# Allegro board S071AA-0413-20260427_Power3.brd (continued)
## Routing (per net, layer and track width the routed paths; a pad name or vN(x,y) marks a point on that pad's centre or on a via; arc(x,y) is an arc through that point) (continued)
102.68,363.22 ; CSDPS426.B12 101.87,362.41 ; 18.03,359.39 UHC430.G1_9 ; UHC430.G1_9 18.03,361.01 ; UHC430.G1_9 17.22,360.2 ; UHC430.G1_9 18.84,360.2 ; D432.A6 43.45,404.67 ; D432.A6 42.64,403.86 ; D432.A6 44.26,403.86 ; D432.A6 43.45,403.05 ; 112.03,80.47 D122.B10 ; D122.B10 112.03,82.09 ; D122.B10 111.22,81.28 ; D122.B10 112.84,81.28 ; 124.73,72.85 D122.A15 ; D122.A15 125.54,73.66 ; D122.A15 124.73,74.47 ; D122.A15 123.92,73.66 ; 189.96,373.38 D115.A6 ; D115.A6 191.58,373.38 ; D115.A6 190.77,374.19 ; D115.A6 190.77,372.57 ; D103.A8 180.61,56.69 ; D103.A8 180.61,55.07 ; D103.A8 179.8,55.88 ; D103.A8 181.42,55.88 ; DPS2.A11 178.07,416.1 ; DPS2.A11 177.26,415.29 ; DPS2.A11 178.07,414.48 ; DPS2.A11 178.88,415.29 ; D108.A4 244.92,35.56 ; D108.A4 244.11,36.37 ; D108.A4 244.11,34.75 ; D108.A4 243.3,35.56 ; 117.11,39.83 D124.B12 ; D124.B12 116.3,40.64 ; D124.B12 117.11,41.45 ; D124.B12 117.92,40.64 ; CSDPS229.C15 21.4,330.2 ; CSDPS229.C15 20.59,331.01 ; CSDPS229.C15 20.59,329.39 ; CSDPS229.C15 19.78,330.2 ; DPS3.C15 124.73,19.86 ; DPS3.C15 123.92,19.05 ; DPS3.C15 124.73,18.24 ; DPS3.C15 125.54,19.05 ; D115.B16 166.18,368.3 ; D115.B16 165.37,369.11 ; D115.B16 165.37,367.49 ; D115.B16 164.56,368.3 ; 264.43,347.17 D110.B6 ; D110.B6 264.43,348.79 ; D110.B6 265.24,347.98 ; D110.B6 263.62,347.98 ; D119.B16 54.42,60.96 ; D119.B16 53.61,60.15 ; D119.B16 52.8,60.96 ; D119.B16 53.61,61.77 ; D114.A6 191.58,353.06 ; D114.A6 189.96,353.06 ; D114.A6 190.77,353.87 ; D114.A6 190.77,352.25 ; 51.07,385.27 D431.A3 ; D431.A3 51.07,386.89 ; D431.A3 51.88,386.08 ; D431.A3 50.26,386.08 ; 98.52,406.4 D428.A13 ; D428.A13 100.14,406.4 ; D428.A13 99.33,405.59 ; D428.A13 99.33,407.21 ; 106.14,60.96 D123.B8 ; D123.B8 106.95,60.15 ; D123.B8 106.95,61.77 ; D123.B8 107.76,60.96 ; D120.B1 16.32,38.1 ; D120.B1 15.51,37.29 ; D120.B1 14.7,38.1 ; D120.B1 15.51,38.91 ; D110.A14 244.11,353.87 ; D110.A14 243.3,353.06 ; D110.A14 244.11,352.25 ; D110.A14 244.92,353.06 ; UHC230.G4_5 15.73,354.35 ; UHC230.G4_5 16.54,353.54 ; UHC230.G4_5 15.73,352.73 ; UHC230.G4_5 14.92,353.54 ; 243.3,60.96 D107.B4 ; D107.B4 244.11,60.15 ; D107.B4 244.92,60.96 ; D107.B4 244.11,61.77 ; 185.69,60.15 D103.B10 ; D103.B10 184.88,60.96 ; D103.B10 185.69,61.77 ; D103.B10 186.5,60.96 ; D427.B13 100.14,381 ; D427.B13 98.52,381 ; D427.B13 99.33,380.19 ; D427.B13 99.33,381.81 ; 187.42,73.66 D102.A11 ; D102.A11 189.04,73.66 ; D102.A11 188.23,72.85 ; D102.A11 188.23,74.47 ; 17.24,373.38 D231.A16 ; D231.A16 18.05,374.19 ; D231.A16 18.86,373.38 ; D231.A16 18.05,372.57 ; 179.8,81.28 D102.B8 ; D102.B8 180.61,80.47 ; D102.B8 181.42,81.28 ; D102.B8 180.61,82.09 ; D428.B4 123,398.78 ; D428.B4 121.38,398.78 ; D428.B4 122.19,397.97 ; D428.B4 122.19,399.59 ; D102.A1 162.83,74.47 ; D102.A1 163.64,73.66 ; D102.A1 162.02,73.66 ; D102.A1 162.83,72.85 ; D105.B9 256.81,99.87 ; D105.B9 256.81,98.25 ; D105.B9 257.62,99.06 ; D105.B9 256,99.06 ; 200.93,387.81 D116.B2 ; D116.B2 200.93,389.43 ; D116.B2 200.12,388.62 ; D116.B2 201.74,388.62 ; 250.92,375.92 D111.A11 ; D111.A11 251.73,376.73 ; D111.A11 252.54,375.92 ; D111.A11 251.73,375.11 ; D110.A6 265.24,353.06 ; D110.A6 264.43,352.25 ; D110.A6 263.62,353.06 ; D110.A6 264.43,353.87 ; 93.44,391.16 D228.B15 ; D228.B15 94.25,391.97 ; D228.B15 94.25,390.35 ; D228.B15 95.06,391.16 ; 45.99,32.21 D120.A13 ; D120.A13 45.18,33.02 ; D120.A13 46.8,33.02 ; D120.A13 45.99,33.83 ; 271.24,33.02 D108.A15 ; D108.A15 272.86,33.02 ; D108.A15 272.05,32.21 ; D108.A15 272.05,33.83 ; D109.A9 257.62,335.28 ; D109.A9 256,335.28 ; D109.A9 256.81,336.09 ; D109.A9 256.81,334.47 ; D428.A9 110.3,406.4 ; D428.A9 109.49,407.21 ; D428.A9 108.68,406.4 ; D428.A9 109.49,405.59 ; 250.92,73.66 D106.A7 ; D106.A7 251.73,74.47 ; D106.A7 251.73,72.85 ; D106.A7 252.54,73.66 ; D106.B13 267.78,78.74 ; D106.B13 266.97,79.55 ; D106.B13 266.97,77.93 ; D106.B13 266.16,78.74 ; D109.A13 246.65,336.09 ; D109.A13 245.84,335.28 ; D109.A13 246.65,334.47 ; D109.A13 247.46,335.28 ; 172.18,58.42 D103.B5 ; D103.B5 172.99,57.61 ; D103.B5 172.99,59.23 ; D103.B5 173.8,58.42 ; 35.83,370.03 D231.B9 ; D231.B9 36.64,370.84 ; D231.B9 35.83,371.65 ; D231.B9 35.02,370.84 ; 122.19,352.25 CSDPS226.B4 ; CSDPS226.B4 121.38,353.06 ; CSDPS226.B4 122.19,353.87 ; CSDPS226.B4 123,353.06 ; 195.04,347.98 D114.B4 ; D114.B4 195.85,348.79 ; D114.B4 195.85,347.17 ; D114.B4 196.66,347.98 ; D120.A3 21.4,33.02 ; D120.A3 20.59,32.21 ; D120.A3 19.78,33.02 ; D120.A3 20.59,33.83 ; 89.17,18.24 DPS3.C01 ; DPS3.C01 89.17,19.86 ; DPS3.C01 88.36,19.05 ; DPS3.C01 89.98,19.05 ; 43.45,39.83 D120.B12 ; D120.B12 42.64,40.64 ; D120.B12 43.45,41.45 ; D120.B12 44.26,40.64 ; 243.3,55.88 D107.A4 ; D107.A4 244.11,55.07 ; D107.A4 244.11,56.69 ; D107.A4 244.92,55.88 ; 37.56,403.86 D432.A8 ; D432.A8 38.37,403.05 ; D432.A8 39.18,403.86 ; D432.A8 38.37,404.67 ; 111.22,332.74 CSDPS225.B8 ; CSDPS225.B8 112.03,331.93 ; CSDPS225.B8 112.84,332.74 ; CSDPS225.B8 112.03,333.55 ; D121.A12 117.11,97.33 ; D121.A12 116.3,96.52 ; D121.A12 117.92,96.52 ; D121.A12 117.11,95.71 ; 123.92,38.1 D124.B15 ; D124.B15 124.73,37.29 ; D124.B15 125.54,38.1 ; D124.B15 124.73,38.91 ; 113.76,38.1 D124.B11 ; D124.B11 114.57,37.29 ; D124.B11 115.38,38.1 ; D124.B11 114.57,38.91 ; D227.B12 101.87,369.11 ; D227.B12 101.87,367.49 ; D227.B12 101.06,368.3 ; D227.B12 102.68,368.3 ; 238.22,368.3 D111.B16 ; D111.B16 239.84,368.3 ; D111.B16 239.03,369.11 ; D111.B16 239.03,367.49 ; D104.B8 181.42,40.64 ; D104.B8 180.61,41.45 ; D104.B8 180.61,39.83 ; D104.B8 179.8,40.64 ; 99.33,13.16 DPS3.A05 ; DPS3.A05 99.33,14.78 ; DPS3.A05 98.52,13.97 ; DPS3.A05 100.14,13.97 ; D119.A4 23.94,55.88 ; D119.A4 22.32,55.88 ; D119.A4 23.13,56.69 ; D119.A4 23.13,55.07 ; 108.68,360.68 CSDPS426.C9 ; CSDPS426.C9 110.3,360.68 ; CSDPS426.C9 109.49,361.49 ; CSDPS426.C9 109.49,359.87 ; D427.B14 97.6,378.46 ; D427.B14 96.79,379.27 ; D427.B14 96.79,377.65 ; D427.B14 95.98,378.46 ; 35.83,390.35 D232.B9 ; D232.B9 35.02,391.16 ; D232.B9 36.64,391.16 ; D232.B9 35.83,391.97 ; D428.B2 127.27,399.59 ; D428.B2 126.46,398.78 ; D428.B2 127.27,397.97 ; D428.B2 128.08,398.78 ; D103.A10 186.5,55.88 ; D103.A10 185.69,56.69 ; D103.A10 185.69,55.07 ; D103.A10 184.88,55.88 ; 90.9,76.2 D122.A2 ; D122.A2 92.52,76.2 ; D122.A2 91.71,75.39 ; D122.A2 91.71,77.01 ; 23.13,39.83 D120.B4 ; D120.B4 23.94,40.64 ; D120.B4 23.13,41.45 ; D120.B4 22.32,40.64 ; 271.24,13.97 DPS1.A15 ; DPS1.A15 272.05,13.16 ; DPS1.A15 272.86,13.97 ; DPS1.A15 272.05,14.78 ; D121.B5 99.33,99.87 ; D121.B5 100.14,99.06 ; D121.B5 99.33,98.25 ; D121.B5 98.52,99.06 ; D113.A16 165.37,333.55 ; D113.A16 164.56,332.74 ; D113.A16 166.18,332.74 ; D113.A16 165.37,331.93 ; 244.11,326.85 D109.B14 ; D109.B14 244.11,328.47 ; D109.B14 244.92,327.66 ; D109.B14 243.3,327.66 ; D432.B12 29.02,398.78 ; D432.B12 28.21,399.59 ; D432.B12 28.21,397.97 ; D432.B12 27.4,398.78 ; 256,355.6 D110.A9 ; D110.A9 257.62,355.6 ; D110.A9 256.81,356.41 ; D110.A9 256.81,354.79 ; 263.62,96.52 D105.A12 ; D105.A12 264.43,95.71 ; D105.A12 265.24,96.52 ; D105.A12 264.43,97.33 ; D108.B14 270.32,40.64 ; D108.B14 269.51,41.45 ; D108.B14 269.51,39.83 ; D108.B14 268.7,40.64 ; D119.A9 35.83,54.15 ; D119.A9 35.83,52.53 ; D119.A9 36.64,53.34 ; D119.A9 35.02,53.34 ; D431.B8 38.37,379.27 ; D431.B8 38.37,377.65 ; D431.B8 37.56,378.46 ; D431.B8 39.18,378.46 ; 35.83,375.11 D231.A9 ; D231.A9 35.02,375.92 ; D231.A9 36.64,375.92 ; D231.A9 35.83,376.73 ; D112.B2 275.4,388.62 ; D112.B2 274.59,387.81 ; D112.B2 274.59,389.43 ; D112.B2 273.78,388.62 ; 170.45,75.39 D102.A4 ; D102.A4 170.45,77.01 ; D102.A4 171.26,76.2 ; D102.A4 169.64,76.2 ; D228.B6 117.11,389.43 ; D228.B6 117.92,388.62 ; D228.B6 116.3,388.62 ; D228.B6 117.11,387.81 ; 42.64,388.62 D232.B6 ; D232.B6 43.45,387.81 ; D232.B6 44.26,388.62 ; D232.B6 43.45,389.43 ; 241.57,390.35 D112.B15 ; D112.B15 242.38,391.16 ; D112.B15 241.57,391.97 ; D112.B15 240.76,391.16 ; 118.84,99.06 D121.B13 ; D121.B13 119.65,98.25 ; D121.B13 120.46,99.06 ; D121.B13 119.65,99.87 ; 261.08,58.42 D107.B11 ; D107.B11 261.89,59.23 ; D107.B11 261.89,57.61 ; D107.B11 262.7,58.42 ; 101.87,392.89 D228.A12 ; D228.A12 101.87,394.51 ; D228.A12 101.06,393.7 ; D228.A12 102.68,393.7 ; 114.57,32.21 D124.A11 ; D124.A11 114.57,33.83 ; D124.A11 113.76,33.02 ; D124.A11 115.38,33.02 ; 258.54,388.62 D112.B8 ; D112.B8 259.35,387.81 ; D112.B8 259.35,389.43 ; D112.B8 260.16,388.62 ; 193.31,349.71 D114.B5 ; D114.B5 193.31,351.33 ; D114.B5 194.12,350.52 ; D114.B5 192.5,350.52 ; 109.49,395.43 D228.A9 ; D228.A9 110.3,396.24 ; D228.A9 108.68,396.24 ; D228.A9 109.49,397.05 ; D427.B6 117.11,379.27 ; D427.B6 117.92,378.46 ; D427.B6 117.11,377.65 ; D427.B6 116.3,378.46 ; 268.7,35.56 D108.A14 ; D108.A14 269.51,36.37 ; D108.A14 270.32,35.56 ; D108.A14 269.51,34.75 ; 202.66,375.92 D115.A1 ; D115.A1 203.47,375.11 ; D115.A1 204.28,375.92 ; D115.A1 203.47,376.73 ; 253.46,101.6 D105.B8 ; D105.B8 254.27,100.79 ; D105.B8 255.08,101.6 ; D105.B8 254.27,102.41 ; D111.A4 270.32,373.38 ; D111.A4 269.51,372.57 ; D111.A4 268.7,373.38 ; D111.A4 269.51,374.19 ; 246.65,77.93 D106.B5 ; D106.B5 245.84,78.74 ; D106.B5 247.46,78.74 ; D106.B5 246.65,79.55 ; 250.92,350.52 D110.B11 ; D110.B11 251.73,351.33 ; D110.B11 251.73,349.71 ; D110.B11 252.54,350.52 ; D232.B8 38.37,389.43 ; D232.B8 39.18,388.62 ; D232.B8 38.37,387.81 ; D232.B8 37.56,388.62 ; 27.4,60.96 D119.B6 ; D119.B6 28.21,60.15 ; D119.B6 29.02,60.96 ; D119.B6 28.21,61.77 ; 190.77,80.47 D102.B12 ; D102.B12 191.58,81.28 ; D102.B12 189.96,81.28 ; D102.B12 190.77,82.09 ; D116.B10 181.42,388.62 ; D116.B10 180.61,389.43 ; D116.B10 179.8,388.62 ; D116.B10 180.61,387.81 ; 172.99,375.11 D115.A13 ; D115.A13 173.8,375.92 ; D115.A13 172.18,375.92 ; D115.A13 172.99,376.73 ; 89.17,93.17 D121.A1 ; D121.A1 89.17,94.79 ; D121.A1 89.98,93.98 ; D121.A1 88.36,93.98 ; 45.99,339.55 CSDPS429.C5 ; CSDPS429.C5 46.8,340.36 ; CSDPS429.C5 45.18,340.36 ; CSDPS429.C5 45.99,341.17 ; 38.37,55.07 D119.A10 ; D119.A10 37.56,55.88 ; D119.A10 39.18,55.88 ; D119.A10 38.37,56.69 ; 30.75,409.4 DPS8.C11 ; DPS8.C11 30.75,411.02 ; DPS8.C11 31.56,410.21 ; DPS8.C11 29.94,410.21 ; 272.05,15.7 DPS1.B15 ; DPS1.B15 271.24,16.51 ; DPS1.B15 272.86,16.51 ; DPS1.B15 272.05,17.32 ; 29.94,340.36 CSDPS429.C11 ; CSDPS429.C11 30.75,339.55 ; CSDPS429.C11 30.75,341.17 ; CSDPS429.C11 31.56,340.36 ; 253.46,327.66 D109.B10 ; D109.B10 254.27,328.47 ; D109.B10 255.08,327.66 ; D109.B10 254.27,326.85 ; 259.35,347.17 D110.B8 ; D110.B8 260.16,347.98 ; D110.B8 259.35,348.79 ; D110.B8 258.54,347.98 ; D121.A9 109.49,94.79 ; D121.A9 109.49,93.17 ; D121.A9 110.3,93.98 ; D121.A9 108.68,93.98 ; 19.78,58.42 D119.B3 ; D119.B3 20.59,57.61 ; D119.B3 21.4,58.42 ; D119.B3 20.59,59.23 ; 94.25,72.85 D122.A3 ; D122.A3 94.25,74.47 ; D122.A3 93.44,73.66 ; D122.A3 95.06,73.66 ; 27.4,35.56 D120.A6 ; D120.A6 29.02,35.56 ; D120.A6 28.21,36.37 ; D120.A6 28.21,34.75 ; CSDPS429.C1 56.15,341.17 ; CSDPS429.C1 56.15,339.55 ; CSDPS429.C1 56.96,340.36 ; CSDPS429.C1 55.34,340.36 ; D111.B2 275.4,368.3 ; D111.B2 274.59,367.49 ; D111.B2 274.59,369.11 ; D111.B2 273.78,368.3 ; 98.52,16.51 DPS3.B05 ; DPS3.B05 99.33,17.32 ; DPS3.B05 99.33,15.7 ; DPS3.B05 100.14,16.51 ; 175.53,387.81 D116.B12 ; D116.B12 175.53,389.43 ; D116.B12 176.34,388.62 ; D116.B12 174.72,388.62 ; 174.72,373.38 D115.A12 ; D115.A12 175.53,374.19 ; D115.A12 175.53,372.57 ; D115.A12 176.34,373.38 ; D123.B12 117.92,60.96 ; D123.B12 117.11,60.15 ; D123.B12 117.11,61.77 ; D123.B12 116.3,60.96 ; 95.98,403.86 D428.A14 ; D428.A14 97.6,403.86 ; D428.A14 96.79,403.05 ; D428.A14 96.79,404.67
  L03_DIG w0.132: D124.A3 95.06,33.02 ; D124.A3 93.44,33.02 ; D124.A3 94.25,32.21 ; D124.A3 94.25,33.83 ; D118.B12 43.45,82.09 ; D118.B12 43.45,80.47 ; D118.B12 44.26,81.28 ; D118.B12 42.64,81.28 ; D232.B9 36.64,391.16 ; D232.B9 35.83,391.97 ; D232.B9 35.02,391.16 ; D232.B9 35.83,390.35 ; 118.84,58.42 D123.B13 ; D123.B13 119.65,57.61 ; D123.B13 119.65,59.23 ; D123.B13 120.46,58.42 ; 89.17,52.53 D123.A1 ; D123.A1 88.36,53.34 ; D123.A1 89.98,53.34 ; D123.A1 89.17,54.15 ; 261.08,58.42 D107.B11 ; D107.B11 261.89,59.23 ; D107.B11 262.7,58.42 ; D107.B11 261.89,57.61 ; 263.62,393.7 D112.A6 ; D112.A6 264.43,394.51 ; D112.A6 264.43,392.89 ; D112.A6 265.24,393.7 ; 180.61,372.57 D115.A10 ; D115.A10 179.8,373.38 ; D115.A10 180.61,374.19 ; D115.A10 181.42,373.38 ; D101.B8 181.42,101.6 ; D101.B8 179.8,101.6 ; D101.B8 180.61,100.79 ; D101.B8 180.61,102.41 ; 240.76,391.16 D112.B15 ; D112.B15 242.38,391.16 ; D112.B15 241.57,391.97 ; D112.B15 241.57,390.35 ; 198.39,57.61 D103.B15 ; D103.B15 198.39,59.23 ; D103.B15 197.58,58.42 ; D103.B15 199.2,58.42 ; D119.B6 28.21,61.77 ; D119.B6 29.02,60.96 ; D119.B6 27.4,60.96 ; D119.B6 28.21,60.15 ; 30.75,400.51 D432.B11 ; D432.B11 30.75,402.13 ; D432.B11 31.56,401.32 ; D432.B11 29.94,401.32 ; D110.B2 274.59,348.79 ; D110.B2 275.4,347.98 ; D110.B2 273.78,347.98 ; D110.B2 274.59,347.17 ; 119.65,37.29 D124.B13 ; D124.B13 120.46,38.1 ; D124.B13 118.84,38.1 ; D124.B13 119.65,38.91 ; D427.A3 125.54,386.08 ; D427.A3 124.73,386.89 ; D427.A3 123.92,386.08 ; D427.A3 124.73,385.27 ; D114.B3 198.39,351.33 ; D114.B3 198.39,349.71 ; D114.B3 199.2,350.52 ; D114.B3 197.58,350.52 ; 192.5,99.06 D101.B13 ; D101.B13 194.12,99.06 ; D101.B13 193.31,99.87 ; D101.B13 193.31,98.25 ; D231.A4 49.34,373.38 ; D231.A4 48.53,372.57 ; D231.A4 48.53,374.19 ; D231.A4 47.72,373.38 ; D231.B16 18.86,368.3 ; D231.B16 18.05,367.49 ; D231.B16 18.05,369.11 ; D231.B16 17.24,368.3 ; 177.26,93.98 D101.A7 ; D101.A7 178.07,93.17 ; D101.A7 178.88,93.98 ; D101.A7 178.07,94.79 ; 126.46,81.28 D122.B16 ; D122.B16 127.27,82.09 ; D122.B16 127.27,80.47 ; D122.B16 128.08,81.28 ; D120.B9 36.64,38.1 ; D120.B9 35.02,38.1 ; D120.B9 35.83,38.91 ; D120.B9 35.83,37.29 ; D110.B6 265.24,347.98 ; D110.B6 264.43,347.17 ; D110.B6 263.62,347.98 ; D110.B6 264.43,348.79 ; D108.A8 255.08,35.56 ; D108.A8 254.27,36.37 ; D108.A8 253.46,35.56 ; D108.A8 254.27,34.75 ; 170.45,60.15 D103.B4 ; D103.B4 169.64,60.96 ; D103.B4 170.45,61.77 ; D103.B4 171.26,60.96 ; D121.B3 95.06,99.06 ; D121.B3 94.25,98.25 ; D121.B3 93.44,99.06 ; D121.B3 94.25,99.87 ; D432.B2 53.61,399.59 ; D432.B2 53.61,397.97 ; D432.B2 54.42,398.78 ; D432.B2 52.8,398.78 ; D122.A10 112.84,76.2 ; D122.A10 112.03,77.01 ; D122.A10 111.22,76.2 ; D122.A10 112.03,75.39 ; D102.A2 166.18,76.2 ; D102.A2 165.37,75.39 ; D102.A2 165.37,77.01 ; D102.A2 164.56,76.2 ; 37.56,55.88 D119.A10 ; D119.A10 38.37,55.07 ; D119.A10 38.37,56.69 ; D119.A10 39.18,55.88 ; D114.A6 190.77,353.87 ; D114.A6 190.77,352.25 ; D114.A6 191.58,353.06 ; D114.A6 189.96,353.06 ; D119.A12 44.26,55.88 ; D119.A12 42.64,55.88 ; D119.A12 43.45,56.69 ; D119.A12 43.45,55.07 ; D107.A3 241.57,54.15 ; D107.A3 240.76,53.34 ; D107.A3 241.57,52.53 ; D107.A3 242.38,53.34 ; 250.92,350.52 D110.B11 ; D110.B11 252.54,350.52 ; D110.B11 251.73,349.71 ; D110.B11 251.73,351.33 ; D109.B12 250,327.66 ; D109.B12 249.19,328.47 ; D109.B12 249.19,326.85 ; D109.B12 248.38,327.66 ; D432.A16 18.05,404.67 ; D432.A16 18.86,403.86 ; D432.A16 18.05,403.05 ; D432.A16 17.24,403.86 ; 98.52,406.4 D428.A13 ; D428.A13 99.33,405.59 ; D428.A13 99.33,407.21 ; D428.A13 100.14,406.4 ; CSDPS225.C13 100.14,330.2 ; CSDPS225.C13 98.52,330.2 ; CSDPS225.C13 99.33,331.01 ; CSDPS225.C13 99.33,329.39 ; 27.4,398.78 D432.B12 ; D432.B12 28.21,399.59 ; D432.B12 28.21,397.97 ; D432.B12 29.02,398.78 ; 33.29,80.47 D118.B8 ; D118.B8 32.48,81.28 ; D118.B8 33.29,82.09 ; D118.B8 34.1,81.28 ; D112.A14 244.92,393.7 ; D112.A14 243.3,393.7 ; D112.A14 244.11,394.51 ; D112.A14 244.11,392.89 ; D112.A4 269.51,394.51 ; D112.A4 270.32,393.7 ; D112.A4 268.7,393.7 ; D112.A4 269.51,392.89 ; 271.24,78.74 D106.B15 ; D106.B15 272.05,79.55 ; D106.B15 272.86,78.74 ; D106.B15 272.05,77.93 ; DPS2.C11 178.07,411.02 ; DPS2.C11 178.88,410.21 ; DPS2.C11 178.07,409.4 ; DPS2.C11 177.26,410.21 ; D105.B9 256.81,99.87 ; D105.B9 257.62,99.06 ; D105.B9 256.81,98.25 ; D105.B9 256,99.06 ; 18.05,331.93 CSDPS229.B16 ; CSDPS229.B16 17.24,332.74 ; CSDPS229.B16 18.05,333.55 ; CSDPS229.B16 18.86,332.74 ; CSDPS225.B6 117.92,332.74 ; CSDPS225.B6 117.11,331.93 ; CSDPS225.B6 117.11,333.55 ; CSDPS225.B6 116.3,332.74 ; D114.B1 204.28,350.52 ; D114.B1 202.66,350.52 ; D114.B1 203.47,349.71 ; D114.B1 203.47,351.33 ; D227.A11 105.22,375.92 ; D227.A11 103.6,375.92 ; D227.A11 104.41,376.73 ; D227.A11 104.41,375.11 ; D111.B6 265.24,368.3 ; D111.B6 264.43,367.49 ; D111.B6 263.62,368.3 ; D111.B6 264.43,369.11 ; D114.A10 180.61,353.87 ; D114.A10 180.61,352.25 ; D114.A10 181.42,353.06 ; D114.A10 179.8,353.06 ; 25.67,395.43 D232.A13 ; D232.A13 26.48,396.24 ; D232.A13 24.86,396.24 ; D232.A13 25.67,397.05 ; D112.A2 275.4,393.7 ; D112.A2 273.78,393.7 ; D112.A2 274.59,394.51 ; D112.A2 274.59,392.89 ; D123.A2 92.52,55.88 ; D123.A2 91.71,55.07 ; D123.A2 90.9,55.88 ; D123.A2 91.71,56.69 ; 254.27,387.81 D112.B10 ; D112.B10 253.46,388.62 ; D112.B10 254.27,389.43 ; D112.B10 255.08,388.62 ; 200.12,55.88 D103.A16 ; D103.A16 201.74,55.88 ; D103.A16 200.93,55.07 ; D103.A16 200.93,56.69 ; D431.B14 23.94,378.46 ; D431.B14 23.13,377.65 ; D431.B14 23.13,379.27 ; D431.B14 22.32,378.46 ; D111.B5 267.78,370.84 ; D111.B5 266.16,370.84 ; D111.B5 266.97,371.65 ; D111.B5 266.97,370.03 ; D106.B5 246.65,79.55 ; D106.B5 246.65,77.93 ; D106.B5 245.84,78.74 ; D106.B5 247.46,78.74 ; 99.33,72.85 D122.A5 ; D122.A5 100.14,73.66 ; D122.A5 99.33,74.47 ; D122.A5 98.52,73.66 ; D111.A14 244.92,373.38 ; D111.A14 243.3,373.38 ; D111.A14 244.11,372.57 ; D111.A14 244.11,374.19 ; D112.A8 260.16,393.7 ; D112.A8 259.35,394.51 ; D112.A8 258.54,393.7 ; D112.A8 259.35,392.89 ; 239.03,39.83 D108.B2 ; D108.B2 238.22,40.64 ; D108.B2 239.03,41.45 ; D108.B2 239.84,40.64 ; D427.A4 123,383.54 ; D427.A4 122.19,384.35 ; D427.A4 122.19,382.73 ; D427.A4 121.38,383.54 ; UHC230.G3_2 46.68,356.1 ; UHC230.G3_2 46.68,354.48 ; UHC230.G3_2 45.87,355.29 ; UHC230.G3_2 47.49,355.29 ; D432.B10 33.29,399.59 ; D432.B10 33.29,397.97 ; D432.B10 32.48,398.78 ; D432.B10 34.1,398.78 ; 101.87,377.65 D427.B12 ; D427.B12 102.68,378.46 ; D427.B12 101.87,379.27 ; D427.B12 101.06,378.46 ; 37.56,388.62 D232.B8 ; D232.B8 38.37,387.81 ; D232.B8 38.37,389.43 ; D232.B8 39.18,388.62 ; D119.B12 43.45,61.77 ; D119.B12 42.64,60.96 ; D119.B12 44.26,60.96 ; D119.B12 43.45,60.15 ; 121.38,403.86 D428.A4 ; D428.A4 122.19,403.05 ; D428.A4 123,403.86 ; D428.A4 122.19,404.67 ; D116.B12 175.53,389.43 ; D116.B12 176.34,388.62 ; D116.B12 174.72,388.62 ; D116.B12 175.53,387.81 ; D120.A3 21.4,33.02 ; D120.A3 20.59,32.21 ; D120.A3 20.59,33.83 ; D120.A3 19.78,33.02 ; D115.B1 204.28,370.84 ; D115.B1 203.47,370.03 ; D115.B1 203.47,371.65 ; D115.B1 202.66,370.84 ; D124.B8 107.76,40.64 ; D124.B8 106.95,39.83 ; D124.B8 106.14,40.64 ; D124.B8 106.95,41.45 ; D431.B1 56.96,381 ; D431.B1 55.34,381 ; D431.B1 56.15,381.81 ; D431.B1 56.15,380.19 ; 190.77,392.89 D116.A6 ; D116.A6 190.77,394.51 ; D116.A6 191.58,393.7 ; D116.A6 189.96,393.7 ; CSDPS429.B8 38.37,343.71 ; CSDPS429.B8 38.37,342.09 ; CSDPS429.B8 39.18,342.9 ; CSDPS429.B8 37.56,342.9 ; 23.13,75.39 D118.A4 ; D118.A4 23.13,77.01 ; D118.A4 22.32,76.2 ; D118.A4 23.94,76.2 ; UHC430.G1_8 15.39,361.95 ; UHC430.G1_8 14.58,361.14 ; UHC430.G1_8 13.77,361.95 ; UHC430.G1_8 14.58,362.76 ; 90.9,40.64 D124.B2 ; D124.B2 91.71,41.45 ; D124.B2 91.71,39.83 ; D124.B2 92.52,40.64 ; 184.88,40.64 D104.B10 ; D104.B10 185.69,41.45 ; D104.B10 186.5,40.64 ; D104.B10 185.69,39.83 ; 116.3,393.7 D228.A6 ; D228.A6 117.11,392.89 ; D228.A6 117.11,394.51 ; D228.A6 117.92,393.7 ; 118.84,391.16 D228.B5 ; D228.B5 120.46,391.16 ; D228.B5 119.65,390.35 ; D228.B5 119.65,391.97 ; 25.67,72.85 D118.A5 ; D118.A5 25.67,74.47 ; D118.A5 24.86,73.66 ; D118.A5 26.48,73.66 ; D113.A12 175.53,333.55 ; D113.A12 175.53,331.93 ; D113.A12 176.34,332.74 ; D113.A12 174.72,332.74 ; D108.B10 259.35,41.45 ; D108.B10 260.16,40.64 ; D108.B10 258.54,40.64 ; D108.B10 259.35,39.83 ; D104.A12 190.77,36.37 ; D104.A12 189.96,35.56 ; D104.A12 190.77,34.75 ; D104.A12 191.58,35.56 ; D116.B1 203.47,391.97 ; D116.B1 202.66,391.16 ; D116.B1 203.47,390.35 ; D116.B1 204.28,391.16 ; D231.A16 18.86,373.38 ; D231.A16 18.05,374.19 ; D231.A16 17.24,373.38 ; D231.A16 18.05,372.57 ; D122.B8 106.95,82.09 ; D122.B8 106.95,80.47 ; D122.B8 106.14,81.28 ; D122.B8 107.76,81.28 ; D108.A3 242.38,33.02 ; D108.A3 241.57,33.83 ; D108.A3 240.76,33.02 ; D108.A3 241.57,32.21 ; D228.B15 94.25,391.97 ; D228.B15 93.44,391.16 ; D228.B15 94.25,390.35 ; D228.B15 95.06,391.16 ; D112.A5 267.78,396.24 ; D112.A5 266.97,395.43 ; D112.A5 266.97,397.05 ; D112.A5 266.16,396.24 ; D110.A10 254.27,353.87 ; D110.A10 255.08,353.06 ; D110.A10 254.27,352.25 ; D110.A10 253.46,353.06 ; 14.58,364.64 UHC430.G1_3 ; UHC430.G1_3 15.39,365.45 ; UHC430.G1_3 13.77,365.45 ; UHC430.G1_3 14.58,366.26 ; D117.A5 26.48,93.98 ; D117.A5 25.67,93.17 ; D117.A5 25.67,94.79 ; D117.A5 24.86,93.98 ; CSDPS425.B12 102.68,342.9 ; CSDPS425.B12 101.87,342.09 ; CSDPS425.B12 101.06,342.9 ; CSDPS425.B12 101.87,343.71 ; 245.84,33.02 D108.A5 ; D108.A5 246.65,33.83 ; D108.A5 247.46,33.02 ; D108.A5 246.65,32.21 ; D117.B12 44.26,101.6 ; D117.B12 43.45,102.41 ; D117.B12 42.64,101.6 ; D117.B12 43.45,100.79 ; D232.B2 54.42,388.62 ; D232.B2 52.8,388.62 ; D232.B2 53.61,389.43 ; D232.B2 53.61,387.81 ; CSDPS425.C11 104.41,341.17 ; CSDPS425.C11 103.6,340.36 ; CSDPS425.C11 104.41,339.55 ; CSDPS425.C11 105.22,340.36 ; 183.15,370.03 D115.B9 ; D115.B9 183.15,371.65 ; D115.B9 183.96,370.84 ; D115.B9 182.34,370.84 ; 239.03,55.07 D107.A2 ; D107.A2 239.84,55.88 ; D107.A2 238.22,55.88 ; D107.A2 239.03,56.69 ; 93.44,93.98 D121.A3 ; D121.A3 95.06,93.98 ; D121.A3 94.25,93.17 ; D121.A3 94.25,94.79 ; 22.32,368.3 D231.B14 ; D231.B14 23.13,367.49 ; D231.B14 23.13,369.11 ; D231.B14 23.94,368.3 ; D109.B14 244.92,327.66 ; D109.B14 243.3,327.66 ; D109.B14 244.11,328.47 ; D109.B14 244.11,326.85 ; D116.B2 200.93,389.43 ; D116.B2 200.12,388.62 ; D116.B2 201.74,388.62 ; D116.B2 200.93,387.81 ; D427.A2 127.27,384.35 ; D427.A2 127.27,382.73 ; D427.A2 126.46,383.54 ; D427.A2 128.08,383.54 ; 127.27,403.05 D428.A2 ; D428.A2 128.08,403.86 ; D428.A2 126.46,403.86 ; D428.A2 127.27,404.67 ; D107.B8 254.27,61.77 ; D107.B8 253.46,60.96 ; D107.B8 254.27,60.15 ; D107.B8 255.08,60.96 ; 117.11,34.75 D124.A12 ; D124.A12 116.3,35.56 ; D124.A12 117.92,35.56 ; D124.A12 117.11,36.37 ; D101.A16 200.93,97.33 ; D101.A16 200.93,95.71 ; D101.A16 201.74,96.52 ; D101.A16 200.12,96.52 ; 129.81,380.19 D427.B1 ; D427.B1 129,381 ; D427.B1 129.81,381.81 ; D427.B1 130.62,381 ; 117.11,403.05 D428.A6 ; D428.A6 117.11,404.67 ; D428.A6 117.92,403.86 ; D428.A6 116.3,403.86 ; DPS1.A05 246.65,14.78 ; DPS1.A05 246.65,13.16 ; DPS1.A05 247.46,13.97 ; DPS1.A05 245.84,13.97 ; 48.53,39.83 D120.B14 ; D120.B14 47.72,40.64 ; D120.B14 48.53,41.45 ; D120.B14 49.34,40.64 ; D106.A16 274.59,77.01 ; D106.A16 275.4,76.2 ; D106.A16 273.78,76.2 ; D106.A16 274.59,75.39 ; 114.57,349.71 CSDPS226.C7 ; CSDPS226.C7 113.76,350.52 ; CSDPS226.C7 115.38,350.52 ; CSDPS226.C7 114.57,351.33 ; D115.A9 183.15,376.73 ; D115.A9 182.34,375.92 ; D115.A9 183.15,375.11 ; D115.A9 183.96,375.92 ; 89.17,57.61 D123.B1 ; D123.B1 89.98,58.42 ; D123.B1 89.17,59.23 ; D123.B1 88.36,58.42 ; 266.97,98.25 D105.B13 ; D105.B13 267.78,99.06 ; D105.B13 266.16,99.06 ; D105.B13 266.97,99.87 ; D111.B13 246.65,371.65 ; D111.B13 247.46,370.84 ; D111.B13 245.84,370.84 ; D111.B13 246.65,370.03 ; 56.15,405.59 D432.A1 ; D432.A1 56.96,406.4 ; D432.A1 56.15,407.21 ; D432.A1 55.34,406.4 ; 187.42,375.92 D115.A7 ; D115.A7 188.23,375.11 ; D115.A7 189.04,375.92 ; D115.A7 188.23,376.73 ; D107.B9 257.62,58.42 ; D107.B9 256,58.42 ; D107.B9 256.81,59.23 ; D107.B9 256.81,57.61 ; CSDPS226.C13 100.14,350.52 ; CSDPS226.C13 99.33,351.33 ; CSDPS226.C13 99.33,349.71 ; CSDPS226.C13 98.52,350.52 ; D116.B14 171.26,388.62 ; D116.B14 170.45,387.81 ; D116.B14 170.45,389.43 ; D116.B14 169.64,388.62 ; D113.A4 195.85,333.55 ; D113.A4 195.85,331.93 ; D113.A4 196.66,332.74 ; D113.A4 195.04,332.74 ; 111.22,378.46 D427.B8 ; D427.B8 112.03,379.27 ; D427.B8 112.03,377.65 ; D427.B8 112.84,378.46 ; 202.66,335.28 D113.A1 ; D113.A1 203.47,336.09 ; D113.A1 203.47,334.47 ; D113.A1 204.28,335.28 ; 19.18,364.64 UHC430.G1_1 ; UHC430.G1_1 19.99,365.45 ; UHC430.G1_1 18.37,365.45 ; UHC430.G1_1 19.18,366.26 ; D228.A14 97.6,393.7 ; D228.A14 96.79,394.51 ; D228.A14 95.98,393.7 ; D228.A14 96.79,392.89 ; 263.62,40.64 D108.B12 ; D108.B12 264.43,39.83 ; D108.B12 265.24,40.64 ; D108.B12 264.43,41.45 ; D115.B6 191.58,368.3 ; D115.B6 190.77,369.11 ; D115.B6 190.77,367.49 ; D115.B6 189.96,368.3 ; 45.87,348.29 UHC230.G3_12 ; UHC230.G3_12 46.68,349.1 ; UHC230.G3_12 46.68,347.48 ; UHC230.G3_12 47.49,348.29 ; 246.65,334.47 D109.A13 ; D109.A13 247.46,335.28 ; D109.A13 245.84,335.28 ; D109.A13 246.65,336.09 ; 42.64,373.38 D231.A6 ; D231.A6 43.45,372.57 ; D231.A6 43.45,374.19 ; D231.A6 44.26,373.38 ; 18.37,358.45 UHC430.G1_11 ; UHC430.G1_11 19.18,357.64 ; UHC430.G1_11 19.18,359.26 ; UHC430.G1_11 19.99,358.45 ; 99.33,98.25 D121.B5 ; D121.B5 98.52,99.06 ; D121.B5 99.33,99.87 ; D121.B5 100.14,99.06 ; D118.A6 28.21,77.01 ; D118.A6 28.21,75.39 ; D118.A6 27.4,76.2 ; D118.A6 29.02,76.2 ; D119.A9 35.83,54.15 ; D119.A9 36.64,53.34 ; D119.A9 35.02,53.34 ; D119.A9 35.83,52.53 ; D112.A12 249.19,394.51 ; D112.A12 250,393.7 ; D112.A12 249.19,392.89 ; D112.A12 248.38,393.7 ; 29.94,396.24 D232.A11 ; D232.A11 30.75,395.43 ; D232.A11 30.75,397.05 ; D232.A11 31.56,396.24 ; D228.A10 107.76,393.7 ; D228.A10 106.95,394.51 ; D228.A10 106.14,393.7 ; D228.A10 106.95,392.89 ; 96.79,377.65 D427.B14 ; D427.B14 95.98,378.46 ; D427.B14 96.79,379.27 ; D427.B14 97.6,378.46 ; 30.75,72.85 D118.A7 ; D118.A7 30.75,74.47 ; D118.A7 29.94,73.66 ; D118.A7 31.56,73.66 ; 50.26,58.42 D119.B15 ; D119.B15 51.07,57.61 ; D119.B15 51.88,58.42 ; D119.B15 51.07,59.23 ; D110.A5 266.97,356.41 ; D110.A5 266.97,354.79 ; D110.A5 266.16,355.6 ; D110.A5 267.78,355.6 ; D123.B3 94.25,59.23 ; D123.B3 93.44,58.42 ; D123.B3 95.06,58.42 ; D123.B3 94.25,57.61 ; 126.46,363.22 CSDPS426.B2 ; CSDPS426.B2 127.27,364.03 ; CSDPS426.B2 128.08,363.22 ; CSDPS426.B2 127.27,362.41 ; D101.B6 176.34,101.6 ; D101.B6 175.53,102.41 ; D101.B6 175.53,100.79 ; 29.94,78.74 D118.B7 ; D118.B7 30.75,77.93 ; D118.B7 31.56,78.74 ; D118.B7 30.75,79.55 ; 40.91,93.17 D117.A11 ; D117.A11 40.91,94.79 ; D117.A11 41.72,93.98 ; D117.A11 40.1,93.98 ; D122.B13 120.46,78.74 ; D122.B13 118.84,78.74 ; D122.B13 119.65,79.55 ; D122.B13 119.65,77.93 ; D111.A1 277.94,375.92 ; D111.A1 277.13,375.11 ; D111.A1 277.13,376.73 ; D111.A1 276.32,375.92 ; D432.A15 20.59,407.21 ; D432.A15 21.4,406.4 ; D432.A15 19.78,406.4 ; D432.A15 20.59,405.59 ; D101.A15 198.39,94.79 ; D101.A15 198.39,93.17 ; D101.A15 199.2,93.98 ; D101.A15 197.58,93.98 ; D116.A4 196.66,393.7 ; D116.A4 195.85,394.51 ; D116.A4 195.85,392.89 ; D116.A4 195.04,393.7 ; 91.71,100.79 D121.B2 ; D121.B2 91.71,102.41 ; D121.B2 90.9,101.6 ; D121.B2 92.52,101.6 ; 104.41,37.29 D124.B7 ; D124.B7 105.22,38.1 ; D124.B7 104.41,38.91 ; D124.B7 103.6,38.1 ; 241.57,93.17 D105.A3 ; D105.A3 240.76,93.98 ; D105.A3 241.57,94.79 ; D105.A3 242.38,93.98 ; CSDPS226.B8 112.84,353.06 ; CSDPS226.B8 112.03,352.25 ; CSDPS226.B8 111.22,353.06 ; CSDPS226.B8 112.03,353.87 ; CSDPS429.C5 46.8,340.36 ; CSDPS429.C5 45.99,339.55 ; CSDPS429.C5 45.18,340.36 ; CSDPS429.C5 45.99,341.17 ; 167.91,329.39 D113.B15 ; D113.B15 167.1,330.2 ; D113.B15 167.91,331.01 ; D113.B15 168.72,330.2 ; 263.62,55.88 D107.A12 ; D107.A12 264.43,56.69 ; D107.A12 265.24,55.88 ; D107.A12 264.43,55.07 ; CSDPS425.B16 91.71,343.71 ; CSDPS425.B16 90.9,342.9 ; CSDPS425.B16 91.71,342.09 ; CSDPS425.B16 92.52,342.9 ; D228.A1 129.81,397.05 ; D228.A1 129,396.24 ; D228.A1 129.81,395.43 ; D228.A1 130.62,396.24 ; 253.46,96.52 D105.A8 ; D105.A8 254.27,97.33 ; D105.A8 254.27,95.71 ; D105.A8 255.08,96.52 ; 40.91,405.59 D432.A7 ; D432.A7 41.72,406.4 ; D432.A7 40.91,407.21 ; D432.A7 40.1,406.4 ; D102.B11 189.04,78.74 ; D102.B11 188.23,79.55 ; D102.B11 188.23,77.93 ; D102.B11 187.42,78.74 ; 106.95,367.49 D227.B10 ; D227.B10 106.14,368.3 ; D227.B10 107.76,368.3 ; D227.B10 106.95,369.11 ; D111.B11 251.73,371.65 ; D111.B11 250.92,370.84 ; D111.B11 252.54,370.84 ; D111.B11 251.73,370.03 ; 259.35,331.93 D109.A8 ; D109.A8 259.35,333.55 ; D109.A8 260.16,332.74 ; D109.A8 258.54,332.74 ; D227.B4 123,368.3 ; D227.B4 121.38,368.3 ; D227.B4 122.19,369.11 ; D227.B4 122.19,367.49 ; D106.A9 256.81,74.47 ; D106.A9 256,73.66 ; D106.A9 257.62,73.66 ; D106.A9 256.81,72.85 ; 50.26,340.36 CSDPS429.C3 ; CSDPS429.C3 51.07,341.17 ; CSDPS429.C3 51.88,340.36 ; CSDPS429.C3 51.07,339.55 ; D104.B5 172.99,38.91 ; D104.B5 172.99,37.29 ; D104.B5 172.18,38.1 ; D104.B5 173.8,38.1 ; CSDPS229.C7 40.91,331.01 ; CSDPS229.C7 41.72,330.2 ; CSDPS229.C7 40.91,329.39 ; CSDPS229.C7 40.1,330.2 ; 91.71,60.15 D123.B2 ; D123.B2 91.71,61.77 ; D123.B2 92.52,60.96 ; D123.B2 90.9,60.96 ; D432.B9 36.64,401.32 ; D432.B9 35.02,401.32 ; D432.B9 35.83,402.13 ; D432.B9 35.83,400.51 ; UHC230.G4_1 19.18,356.1 ; UHC230.G4_1 19.18,354.48 ; UHC230.G4_1 18.37,355.29 ; UHC230.G4_1 19.99,355.29 ; D111.B15 242.38,370.84 ; D111.B15 241.57,371.65 ; D111.B15 240.76,370.84 ; D111.B15 241.57,370.03 ; 117.11,352.25 CSDPS226.B6 ; CSDPS226.B6 117.11,353.87 ; CSDPS226.B6 116.3,353.06 ; CSDPS226.B6 117.92,353.06 ; CSDPS425.C5 120.46,340.36 ; CSDPS425.C5 118.84,340.36 ; CSDPS425.C5 119.65,339.55 ; CSDPS425.C5 119.65,341.17 ; D111.A12 249.19,374.19 ; D111.A12 249.19,372.57 ; D111.A12 248.38,373.38 ; D111.A12 250,373.38 ; 185.69,60.15 D103.B10 ; D103.B10 186.5,60.96 ; D103.B10 184.88,60.96 ; D103.B10 185.69,61.77 ; UHC430.G2_9 47.83,361.01 ; UHC430.G2_9 47.83,359.39 ; UHC430.G2_9 47.02,360.2 ; UHC430.G2_9 48.64,360.2 ; D112.B13 246.65,391.97 ; D112.B13 246.65,390.35 ; D112.B13 247.46,391.16 ; D112.B13 245.84,391.16 ; 17.24,35.56 D120.A2 ; D120.A2 18.05,36.37 ; D120.A2 18.86,35.56 ; D120.A2 18.05,34.75 ; 169.64,101.6 D101.B4 ; D101.B4 170.45,102.41 ; D101.B4 170.45,100.79 ; D101.B4 171.26,101.6 ; 167.91,349.71 D114.B15 ; D114.B15 167.1,350.52 ; D114.B15 168.72,350.52 ; D114.B15 167.91,351.33 ; 169.64,353.06 D114.A14 ; D114.A14 171.26,353.06 ; D114.A14 170.45,353.87 ; D114.A14 170.45,352.25 ; 241.57,329.39 D109.B15 ; D109.B15 241.57,331.01 ; D109.B15 240.76,330.2 ; D109.B15 242.38,330.2 ; D114.A7 188.23,356.41 ; D114.A7 188.23,354.79 ; D114.A7 187.42,355.6 ; D114.A7 189.04,355.6 ; 40.91,77.93 D118.B11 ; D118.B11 41.72,78.74 ; D118.B11 40.91,79.55 ; D118.B11 40.1,78.74 ; D107.B12 264.43,61.77 ; D107.B12 265.24,60.96 ; D107.B12 264.43,60.15 ; D107.B12 263.62,60.96 ; 121.38,40.64 D124.B14 ; D124.B14 122.19,41.45 ; D124.B14 122.19,39.83 ; D124.B14 123,40.64 ; 277.13,334.47 D109.A1 ; D109.A1 277.94,335.28 ; D109.A1 276.32,335.28 ; D109.A1 277.13,336.09 ; 183.15,349.71 D114.B9 ; D114.B9 182.34,350.52 ; D114.B9 183.15,351.33 ; D114.B9 183.96,350.52 ; D107.A9 256.81,54.15 ; D107.A9 257.62,53.34 ; D107.A9 256,53.34 ; D107.A9 256.81,52.53 ; D121.A7 104.41,94.79 ; D121.A7 105.22,93.98 ; D121.A7 103.6,93.98 ; D121.A7 104.41,93.17 ; 35.83,57.61 D119.B9 ; D119.B9 35.83,59.23 ; D119.B9 35.02,58.42 ; D119.B9 36.64,58.42 ; 13.77,351.79 UHC230.G4_8 ; UHC230.G4_8 15.39,351.79 ; UHC230.G4_8 14.58,350.98 ; UHC230.G4_8 14.58,352.6 ; D231.A10 34.1,373.38 ; D231.A10 32.48,373.38 ; D231.A10 33.29,372.57 ; D231.A10 33.29,374.19 ; D119.B10 38.37,61.77 ; D119.B10 37.56,60.96 ; D119.B10 38.37,60.15 ; D119.B10 39.18,60.96 ; 20.59,57.61 D119.B3 ; D119.B3 20.59,59.23 ; D119.B3 21.4,58.42 ; D119.B3 19.78,58.42 ; D106.B7 251.73,79.55 ; D106.B7 250.92,78.74 ; D106.B7 251.73,77.93 ; D106.B7 252.54,78.74 ; UHC230.G4_6 19.99,351.79 ; UHC230.G4_6 19.18,350.98 ; UHC230.G4_6 18.37,351.79 ; UHC230.G4_6 19.18,352.6 ; UHC230.G4_10 15.73,350.85 